# KiCad board Scan_Head_Set-Relay_board_05.01.2023.kicad_pcb (continued)
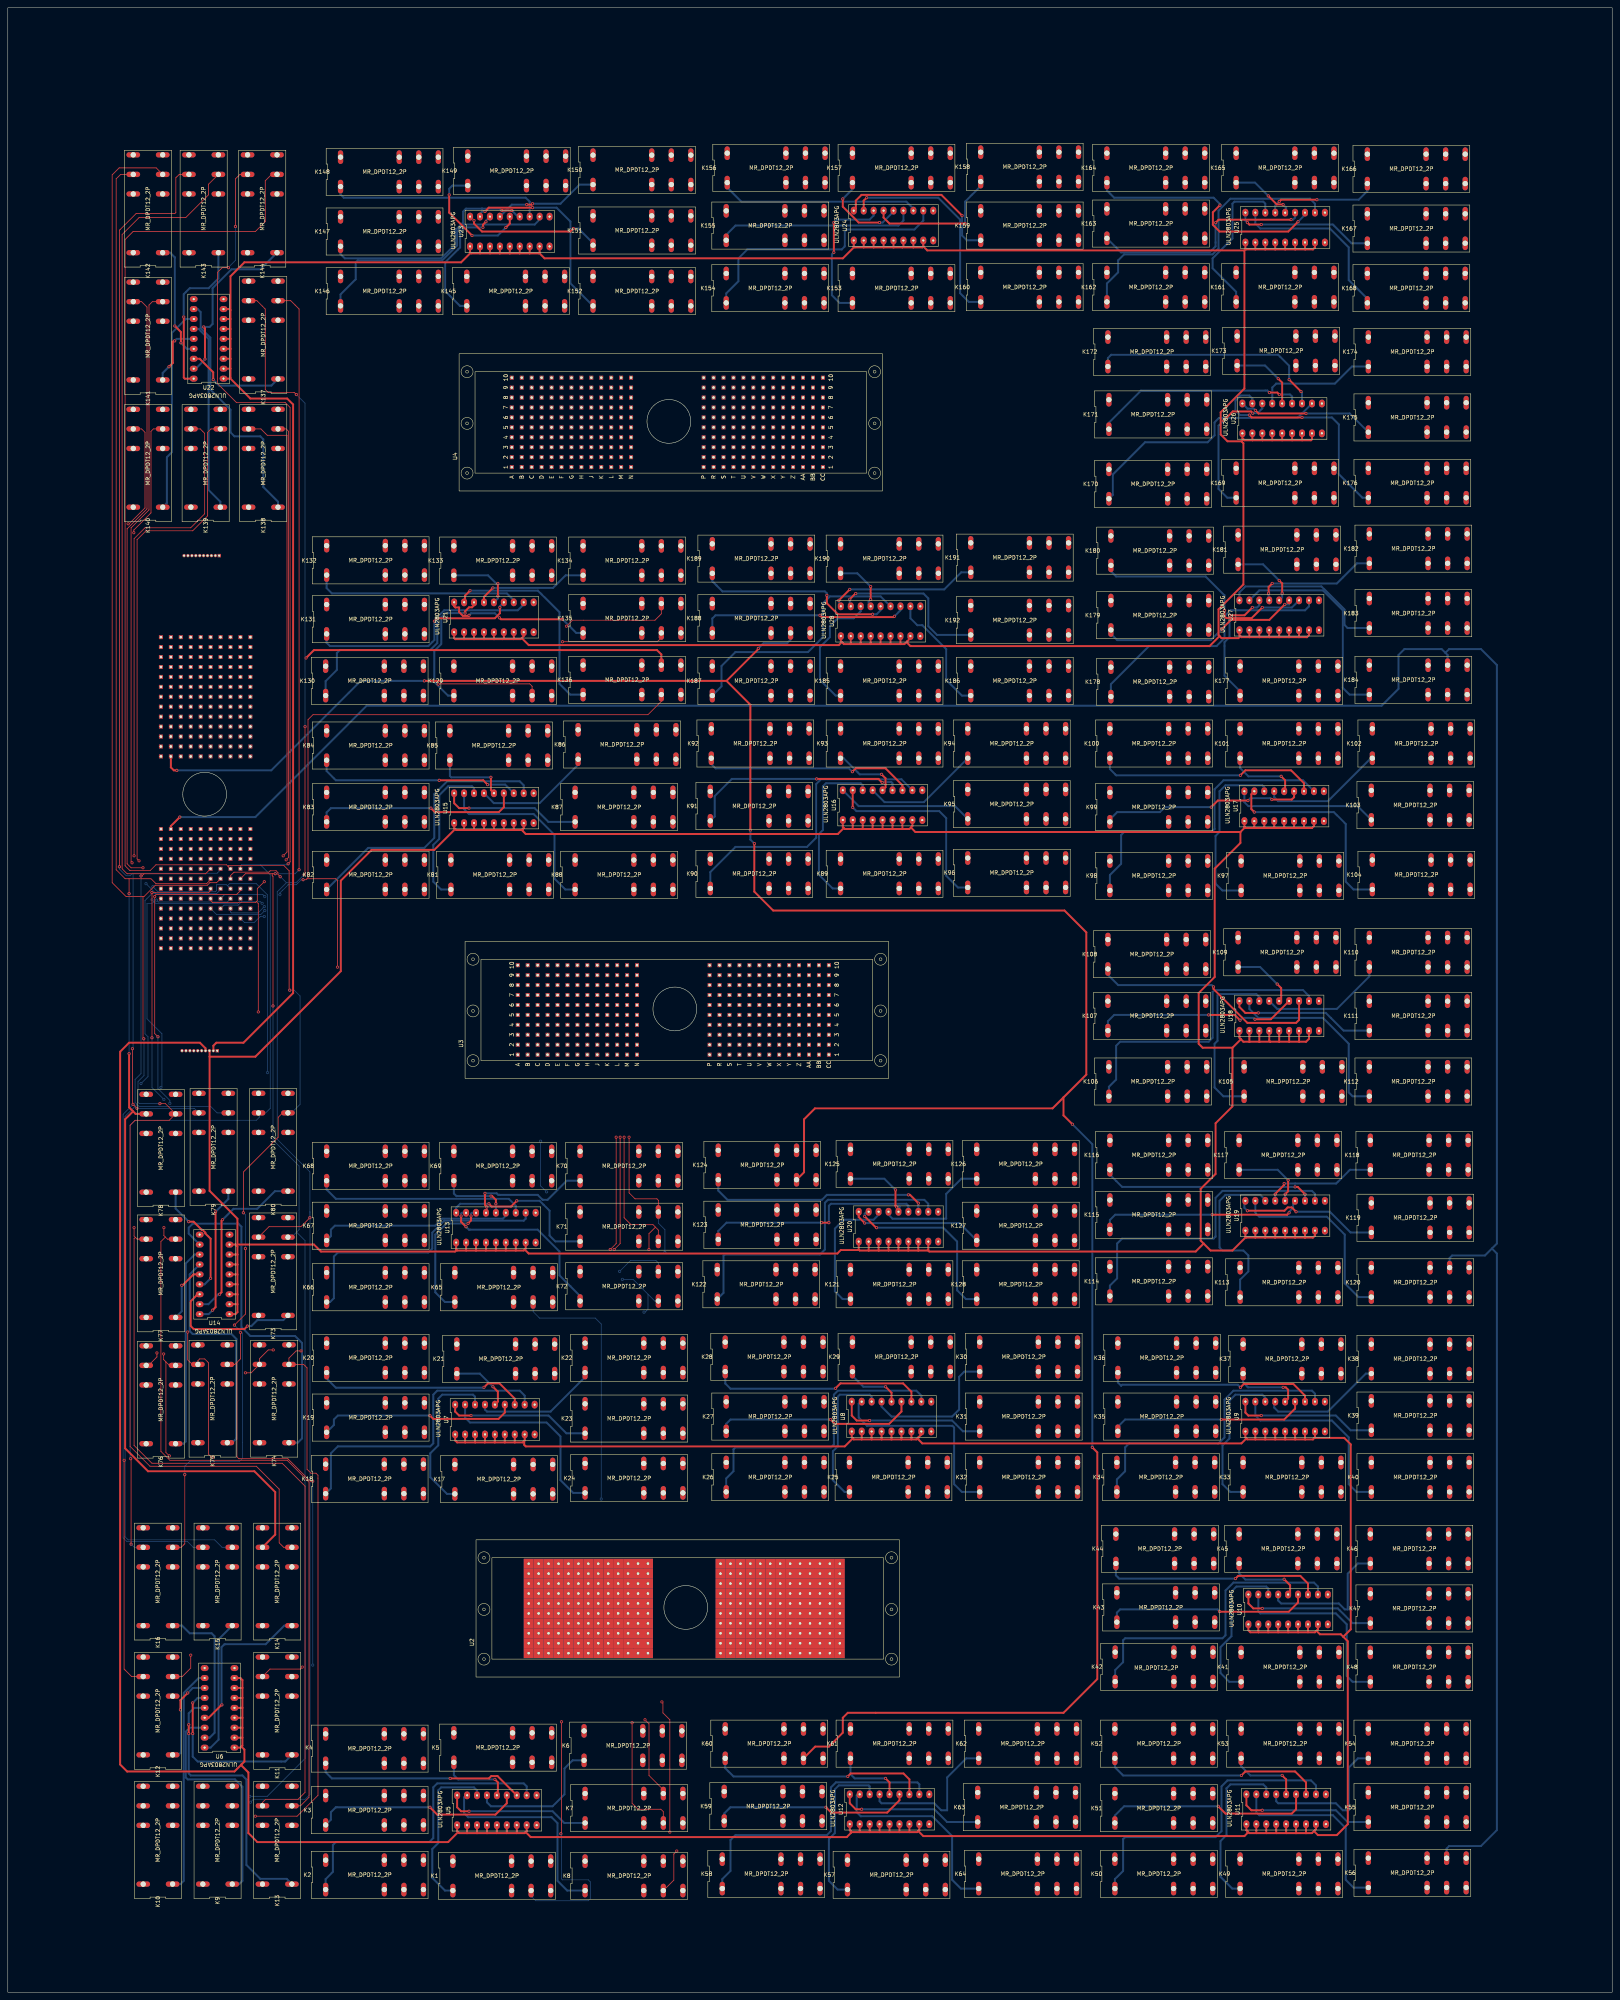
[diagram p0: board, top side]
## Routing (per net, layer and track width the routed paths; a pad name or vN(x,y) marks a point on that pad's centre or on a via; arc(x,y) is an arc through that point) (continued)
Net-(K1-PadA1): length 41.4
  Bottom w0.508: U5.16 119.89,51.56 119.13,52.32 110.74,52.32 109.98,51.56 109.98,38.1 108.46,36.58 108.46,29.21 111.71,25.96 K1.A1
Net-(K2-PadA1): length 78.4
  Bottom w0.508: K2.A1 81.21,28.88 83.06,30.73 83.06,37.59 83.82,38.35 107.7,38.35 108.71,39.37 108.71,52.32 109.73,53.34 131.83,53.34 132.59,52.58 U5.11
Net-(K3-PadA1): length 53.3
  Top w0.508: U5.13 127.51,48.26 124.62,45.37 109.73,45.37 v1(107.86,47.24)
  Bottom w0.508: K3.A1 82.55,44.07 82.55,45.97 83.82,47.24 v1(107.86,47.24)
Net-(K4-PadA1): length 54.1
  Top w0.508: v1(113.03,54.61) 122.94,54.61 123.54,55.21 125.13,55.21 U5.12
  Bottom w0.508: v1(113.03,54.61) 82.8,54.61 81.21,56.21 K4.A1
Net-(K5-PadA1): length 18.7
  Top w0.508: U5.14 125.22,50.55 125.22,53.59 v1(124.46,54.36)
  Bottom w0.508: K5.A1 113.97,55.45 115.06,54.36 v1(124.46,54.36)
Net-(K6-PadA1): length 35.7
  Bottom w0.508: U5.15 122.43,48.51 123.44,47.5 139.19,47.5 142.24,50.55 142.24,57.15 144.32,59.23 K6.A1
Net-(K7-PadA1): length 37.4
  Top w0.508: U5.18 114.81,47.24 115.82,46.23 v1(117.86,46.23)
  Bottom w0.508: v1(117.86,46.23) 139.19,46.23 142.19,43.23 K7.A1
Net-(K8-PadA1): length 52.8
  Bottom w0.508: K8.A1 142.95,25.96 140.46,28.45 140.46,43.18 138.94,44.7 117.6,44.7 116.59,45.72 116.59,49.78 117.09,50.29 U5.17
Net-(K9-PadA1): length 59.4
  Bottom w0.508: U6.16 46.48,67.56 45.47,66.55 45.47,54.86 45.97,54.36 58.06,54.36 59.94,52.48 59.94,28.45 59.11,27.61 K9.A1
Net-(K10-PadA1): length 58.1
  Bottom w0.508: U6.11 48.77,80.26 44.96,76.45 44.96,28.45 44.12,27.61 K10.A1
Net-(K11-PadA1): length 43.9
  Top w0.508: v1(47.24,66.04) v1(47.24,73.91)
  Bottom w0.508: v1(47.24,73.91) 48.51,75.18 U6.13 ; K11.A1 70.89,58.93 48.51,58.93 47.24,60.2 v1(47.24,66.04)
Net-(K12-PadA1): length 23.3
  Top w0.508: v1(45.97,76.45) 44.1,74.58 v1(44.1,72.14)
  Bottom w0.508: K12.A1 43.61,60.63 44.25,61.27 44.25,71.99 v1(44.1,72.14) ; U6.12 47.24,77.72 v1(45.97,76.45)
Net-(K13-PadA1): length 70.9
  Top w0.508: v1(46.23,68.33) v1(46.23,66.04)
  Bottom w0.508: v1(46.23,66.04) 46.23,55.88 46.74,55.37 59.94,55.37 60.96,54.36 60.96,32.51 64.52,28.96 71.25,28.96 K13.A1 ; v1(46.23,68.33) 46.23,71.25 47.62,72.64 U6.14
Net-(K14-PadA1): length 40.8
  Top w0.508: U6.15 51.31,70.1 54.61,73.41 v1(54.7,73.41)
  Bottom w0.508: v1(54.7,73.41) 54.61,73.5 54.61,88.14 55.37,88.9 65.89,88.9 70.64,93.65 K14.A1
Net-(K15-PadA1): length 35
  Bottom w0.508: U6.18 51.82,62.48 53.85,64.52 53.85,90.15 K15.A1
Net-(K16-PadA1): length 39.5
  Bottom w0.508: U6.17 51.56,65.02 52.83,66.29 52.83,90.93 52.07,91.69 46.48,91.69 44.52,93.65 K16.A1
Net-(K17-PadA1): length 41
  Bottom w0.508: U7.16 119.38,152.15 118.87,152.65 111,152.65 109.98,151.64 109.98,139.7 107.95,137.67 107.95,131.57 112.22,127.3 K17.A1
Net-(K18-PadA1): length 77.1
  Bottom w0.508: K18.A1 82.55,128.72 82.55,137.67 84.33,139.45 107.95,139.45 108.71,140.21 108.71,152.65 109.73,153.67 130.81,153.67 132.08,152.4 U7.11
Net-(K19-PadA1): length 51.2
  Top w0.508: v1(107.86,147.32) 108.71,146.47 125.38,146.47 127,148.08 U7.13
  Bottom w0.508: v1(107.86,147.32) 84.33,147.32 83.31,146.3 83.31,144.9 K19.A1
Net-(K20-PadA1): length 54.2
  Top w0.508: v1(121.67,154.52) 122.68,155.54 125.64,155.54 129.54,151.64 U7.12
  Bottom w0.508: v1(121.67,154.52) 121.57,154.43 83.82,154.43 81.46,156.79 K20.A1
Net-(K21-PadA1): length 16
  Top w0.508: U7.14 125.22,150.88 125.22,153.42 v1(123.95,154.69)
  Bottom w0.508: K21.A1 120.6,158.04 v1(123.95,154.69)
Net-(K22-PadA1): length 31.9
  Bottom w0.508: K22.A1 147.5,157.15 138.68,148.34 122.43,148.34 121.92,148.84 U7.15
Net-(K23-PadA1): length 37.3
  Top w0.508: U7.18 114.3,148.34 115.32,147.32 v1(118.36,147.32)
  Bottom w0.508: K23.A1 142.7,142.8 138.18,147.32 v1(118.36,147.32)
Net-(K24-PadA1): length 48.5
  Bottom w0.508: U7.17 116.84,146.81 118.11,145.54 137.67,145.54 141.22,141.99 141.22,130.81 144.48,127.56 K24.A1
Net-(K25-PadA1): length 37.7
  Bottom w0.508: K25.A1 213.82,127.81 210.82,130.81 210.82,138.18 212.09,139.45 212.09,152.15 212.6,152.65 220.22,152.65 220.73,152.15 U8.16
Net-(K26-PadA1): length 75.3
  Bottom w0.508: U8.11 233.43,152.4 232.16,153.67 212.09,153.67 211.07,152.65 211.07,139.95 210.31,139.19 185.93,139.19 185.42,138.68 185.42,133.1 183.57,131.24 K26.A1
Net-(K27-PadA1): length 51.4
  Top w0.508: v1(210.22,146.3) 211.33,145.2 225.21,145.2 228.35,148.34 U8.13
  Bottom w0.508: K27.A1 183.57,145.21 184.66,146.3 v1(210.22,146.3)
Net-(K28-PadA1): length 55.1
  Top w0.508: v1(211.5,154.28) 212.75,155.54 228.76,155.54 230.89,153.42 U8.12
  Bottom w0.508: K28.A1 183.31,155.52 184.66,154.18 211.39,154.18 v1(211.5,154.28)
Net-(K29-PadA1): length 15.1
  Top w0.508: U8.14 225.81,153.16 v1(224.28,154.69)
  Bottom w0.508: K29.A1 215.83,157.47 218.61,154.69 v1(224.28,154.69)
Net-(K30-PadA1): length 37.1
  Bottom w0.508: U8.15 223.27,149.61 225.81,147.07 241.3,147.07 243.08,148.84 243.08,157.23 244.4,158.55 K30.A1
Net-(K31-PadA1): length 37.9
  Top w0.508: v1(220.22,146.05) 216.92,146.05 215.65,147.32 U8.18
  Bottom w0.508: K31.A1 244.04,143.31 241.3,146.05 v1(220.22,146.05)
Net-(K32-PadA1): length 51.8
  Bottom w0.508: K32.A1 243.79,127.81 241.81,129.79 241.81,144.27 241.37,144.71 219.53,144.71 217.42,146.81 217.42,150.37 217.93,150.88 U8.17
Net-(K33-PadA1): length 39.3
  Bottom w0.508: U9.16 321.31,151.89 320.55,152.65 313.69,152.65 312.17,151.13 312.17,141.48 310.39,139.7 310.39,129.79 312.37,127.81 K33.A1
Net-(K34-PadA1): length 74.8
  Bottom w0.508: U9.11 334.01,152.91 333.25,153.67 313.18,153.67 310.9,151.38 310.9,141.73 309.37,140.21 286.51,140.21 285.5,139.19 285.5,133.1 283.39,130.99 K34.A1
Net-(K35-PadA1): length 50.1
  Top w0.508: v1(310.04,146.3) 326.14,146.3 328.93,149.1 U9.13
  Bottom w0.508: K35.A1 283.64,144.45 285.5,146.3 v1(310.04,146.3)
Net-(K36-PadA1): length 54.2
  Top w0.508: v1(314.96,154.52) 315.81,155.38 328.49,155.38 331.47,152.4 U9.12
  Bottom w0.508: v1(314.96,154.52) 314.29,155.19 284.73,155.19 284.48,154.94 283.64,155.78 K36.A1
Net-(K37-PadA1): length 17.9
  Top w0.508: U9.14 327.15,151.64 327.15,153.92 326.55,154.52 v1(325.88,154.52)
  Bottom w0.508: v1(325.88,154.52) 316.9,154.52 315.65,155.78 K37.A1
Net-(K38-PadA1): length 30.9
  Bottom w0.508: K38.A1 347.01,158.04 337.31,148.34 324.61,148.34 323.6,149.35 323.6,150.62 U9.15
Net-(K39-PadA1): length 36.9
  Top w0.508: U9.18 316.23,148.08 316.99,147.32 v1(320.29,147.32)
  Bottom w0.508: v1(320.29,147.32) 339.34,147.32 343.1,143.56 K39.A1
Net-(K40-PadA1): length 48.3
  Bottom w0.508: U9.17 318.77,147.32 320.04,146.05 338.33,146.05 342.65,141.73 342.65,129.79 344.63,127.81 K40.A1
Net-(K41-PadA1): length 39.8
  Bottom w0.508: K41.A1 312.12,79.3 309.88,81.53 309.88,88.14 312.67,90.93 312.67,102.36 313.94,103.63 321.56,103.63 322.07,103.12 U10.16
Net-(K42-PadA1): length 76.4
  Bottom w0.508: K42.A1 282.96,82.3 284.99,84.33 284.99,89.92 285.5,90.42 310.39,90.42 311.15,91.19 311.15,102.62 313.18,104.65 333.76,104.65 334.77,103.63 U10.11
Net-(K43-PadA1): length 52.3
  Top w0.508: v1(309.63,97.28) 309.72,97.19 327.31,97.19 329.69,99.57 U10.13
  Bottom w0.508: K43.A1 283.39,96.95 284.23,97.79 309.12,97.79 v1(309.63,97.28)
Net-(K44-PadA1): length 56.4
  Top w0.508: v1(313.69,105.66) 314.38,106.36 330.27,106.36 332.23,104.39 U10.12
  Bottom w0.508: K44.A1 283.14,106.5 283.97,105.66 v1(313.69,105.66)
Net-(K45-PadA1): length 19.5
  Top w0.508: U10.14 327.66,102.11 327.66,103.98 v1(326.14,105.5)
  Bottom w0.508: K45.A1 314.63,107.01 316.23,105.41 326.04,105.41 v1(326.14,105.5)
Net-(K46-PadA1): length 36.2
  Bottom w0.508: U10.15 324.61,100.08 325.37,99.31 340.11,99.31 341.63,97.79 342.39,97.79 342.39,106.93 344.98,109.52 K46.A1
Net-(K47-PadA1): length 35.5
  Top w0.508: U10.18 316.99,99.31 318.26,98.04 v1(320.55,98.04)
  Bottom w0.508: v1(320.55,98.04) 339.85,98.04 343.61,94.28 K47.A1
Net-(K48-PadA1): length 48.1
  Bottom w0.508: U10.17 319.53,97.28 320.04,96.77 339.34,96.77 342.14,93.98 342.14,80.77 343.61,79.3 K48.A1
Net-(K49-PadA1): length 42.2
  Bottom w0.508: U11.16 321.56,52.32 320.8,53.09 312.42,53.09 311.4,52.07 311.4,40.13 309.88,38.61 309.88,29.46 312.88,26.47 K49.A1
Net-(K50-PadA1): length 78.5
  Bottom w0.508: K50.A1 282.88,28.88 284.99,30.99 284.99,39.12 285.5,39.62 308.61,39.62 310.13,41.15 310.13,52.58 311.66,54.1 332.99,54.1 334.26,52.83 U11.11
Net-(K51-PadA1): length 54.2
  Top w0.508: U11.13 329.18,46.74 328.08,45.63 311.15,45.63 v1(309.28,47.5)
  Bottom w0.508: v1(309.28,47.5) 285.24,47.5 282.88,45.14 K51.A1
Net-(K52-PadA1): length 56.6
  Top w0.508: U11.12 331.72,53.59 328.93,56.39 316.23,56.39 v1(315.21,55.37)
  Bottom w0.508: K52.A1 282.88,57.48 284.99,55.37 v1(315.21,55.37)
Net-(K53-PadA1): length 18.7
  Top w0.508: U11.14 326.64,54.36 v1(325.63,55.37)
  Bottom w0.508: v1(325.63,55.37) 317.5,55.37 315.14,57.73 K53.A1
Net-(K54-PadA1): length 38.2
  Bottom w0.508: K54.A1 344.98,59.74 342.65,57.4 342.65,46.48 341.12,46.48 339.34,48.26 324.61,48.26 324.1,48.77 U11.15
Net-(K55-PadA1): length 35.7
  Top w0.508: v1(320.55,46.48) 317.75,46.48 316.48,47.75 U11.18
  Bottom w0.508: K55.A1 342.34,43.48 339.34,46.48 v1(320.55,46.48)
Net-(K56-PadA1): length 48.9
  Bottom w0.508: U11.17 319.02,45.97 319.79,45.21 338.58,45.21 341.88,41.91 341.88,28.7 343.87,26.72 K56.A1
Net-(K57-PadA1): length 41.1
  Bottom w0.508: U12.16 220.22,52.58 219.96,52.83 212.34,52.83 211.33,51.82 211.33,40.64 209.8,39.12 209.8,28.45 212.04,26.21 K57.A1
Net-(K58-PadA1): length 76.9
  Bottom w0.508: U12.11 232.92,53.09 232.41,53.59 211.58,53.59 210.31,52.32 210.31,41.15 209.3,40.13 185.93,40.13 184.66,38.86 184.66,30.99 182.55,28.88 K58.A1
Net-(K59-PadA1): length 50.7
  Top w0.508: U12.13 227.84,49.02 224.7,45.88 210.4,45.88 v1(209.04,47.24)
  Bottom w0.508: v1(209.04,47.24) 184.66,47.24 183.06,45.65 K59.A1
Net-(K60-PadA1): length 55.2
  Top w0.508: U12.12 230.38,54.36 228.85,55.88 215.39,55.88 v1(214.63,55.12)
  Bottom w0.508: K60.A1 183.31,57.22 185.42,55.12 v1(214.63,55.12)
Net-(K61-PadA1): length 17.9
  Top w0.508: U12.14 225.3,53.59 v1(224.28,54.61)
  Bottom w0.508: v1(224.28,54.61) 216.41,54.61 215.32,55.7 K61.A1
Net-(K62-PadA1): length 38.5
  Bottom w0.508: U12.15 222.76,48.77 223.27,48.26 236.73,48.26 238.51,46.48 240.03,46.48 240.03,54.86 244.91,59.74 K62.A1
Net-(K63-PadA1): length 37
  Top w0.508: U12.18 215.14,48.26 216.66,46.74 v1(218.19,46.74)
  Bottom w0.508: v1(218.19,46.74) 236.73,46.74 239.98,43.48 K63.A1
Net-(K64-PadA1): length 51
  Bottom w0.508: K64.A1 243.54,26.47 241.3,28.7 241.3,39.88 236.22,44.96 217.93,44.96 216.92,45.97 216.92,50.29 217.17,50.55 U12.17
Net-(K65-PadA1): length 34.5
  Top w0.508: v1(118.36,198.31) 118.36,197.17 v1(117.6,196.4)
  Bottom w0.508: U13.16 118.62,199.14 118.36,198.88 v1(118.36,198.31) ; v1(117.6,196.4) 112.08,196.4 109.22,193.55 109.22,178.82 111.71,176.33 K65.A1
Net-(K66-PadA1): length 69.8
  Bottom w0.508: U13.11 132.33,197.61 131.83,197.1 111.51,197.1 108.46,194.06 108.46,189.99 107.44,188.98 84.33,188.98 83.31,187.96 83.31,177.29 82.35,176.33 K66.A1
Net-(K67-PadA1): length 50.1
  Bottom w0.508: U13.13 127.25,198.37 126.49,197.61 111,197.61 109.22,195.83 83.57,195.83 82.55,194.82 82.55,193.16 K67.A1
Net-(K68-PadA1): length 54.1
  Bottom w0.508: K68.A1 81.46,205.05 83.82,202.69 128.02,202.69 129.79,200.91 U13.12
Net-(K69-PadA1): length 18
  Top w0.508: v1(124.71,201.42) 124.71,202.44 123.76,203.39 v1(123.44,203.39)
  Bottom w0.508: v1(124.71,201.42) U13.14 ; K69.A1 113.97,204.04 114.62,203.39 v1(123.44,203.39)
Net-(K70-PadA1): length 32.4
  Top w0.508: v1(122.38,200.59) 122.38,200.71 121.92,201.17 v1(121.92,204.09)
  Bottom w0.508: 125.73,203.71 125.54,203.71 ; 125.73,203.71 125.28,203.71 124.9,204.09 v1(121.92,204.09) ; 125.73,203.71 135.38,203.71 136.65,202.44 137.92,202.44 142.8,207.31 K70.A1 ; v1(122.38,200.59) 122.38,199.34 U13.15
Net-(K71-PadA1): length 42.3
  Top w0.508: v1(130.05,202.18) 128.59,200.72 123.64,200.72 v1(122.94,201.42)
  Bottom w0.508: v1(122.94,201.42) 115.57,201.42 114.55,200.41 U13.18 ; v1(130.05,202.18) 135.89,202.18 138.43,199.64 138.43,193.29 139.9,191.82 K71.A1
Net-(K72-PadA1): length 46.6
  Top w0.508: v1(117.08,195.55) 115.82,196.81 v1(115.82,198.31)
  Bottom w0.508: K72.A1 146.23,177.87 140.97,183.13 140.97,189.23 135.38,194.82 117.81,194.82 v1(117.08,195.55) ; v1(115.82,198.31) 115.82,198.88 116.08,199.14 U13.17
Net-(K73-PadA1): length 36
  Top w0.508: v1(61.21,170.18) 60.45,169.42 47.5,169.42 46.74,170.18 46.74,176.53 48.51,178.31 U14.16
  Bottom w0.508: v1(61.21,170.18) 62.23,170.18 63.75,171.7 70.38,171.7 K73.A1
Net-(K74-PadA1): length 90.7
  Bottom w0.508: K74.A1 74.09,140.39 75.18,141.48 75.18,165.86 73.41,167.64 61.98,167.64 59.69,169.93 59.69,195.58 58.93,196.34 47.24,196.34 46.23,195.33 46.23,193.8 U14.11
Net-(K75-PadA1): length 59
  Bottom w0.508: U14.13 46.48,183.39 46.48,168.91 47.24,168.15 57.15,168.15 58.42,166.88 58.42,141.48 57.33,140.39 K75.A1
Net-(K76-PadA1): length 52.8
  Bottom w0.508: U14.12 47.75,188.47 45.47,186.18 45.47,140.72 44.88,140.13 K76.A1
Net-(K77-PadA1): length 14.6
  Top w0.508: U14.14 47.44,183.39 44.64,180.59 v1(44.45,180.59)
  Bottom w0.508: v1(44.45,180.59) 44.45,173.97 K77.A1
Net-(K78-PadA1): length 30
  Top w0.508: v1(51.82,182.37) 51.82,192.5 50.48,193.84 50.48,194.05 49.76,194.77 49.54,194.77 47.46,196.85 v1(46.23,196.85)
  Bottom w0.508: v1(51.82,182.37) 50.29,180.85 U14.15 ; K78.A1 42.88,200.2 v1(46.23,196.85)
Net-(K79-PadA1): length 35.8
  Top w0.508: v1(52.32,174.24) 53.09,175.01 v1(53.09,199.39)
  Bottom w0.508: K79.A1 56.34,202.64 v1(53.09,199.39) ; U14.18 51.31,173.23 v1(52.32,174.24)
Net-(K80-PadA1): length 45.2
  Top w0.508: v1(54.1,178.31) 54.61,178.82 54.61,197.1 v1(54.86,197.36)
  Bottom w0.508: v1(54.86,197.36) 57.66,200.15 63.75,200.15 68.25,204.65 K80.A1 ; v1(54.1,178.31) 53.79,178.31 51.25,175.77 U14.17
Net-(K81-PadA1): length 39.4
  Bottom w0.508: K81.A1 110.69,281.74 108.71,283.72 108.71,293.12 110.24,294.64 110.24,305.82 112.52,308.1 118.62,308.1 119.13,307.59 U15.16
Net-(K82-PadA1): length 70.8
  Bottom w0.508: K82.A1 92.08,292.35 106.43,292.35 108.97,294.89 108.97,306.07 112.27,309.37 130.81,309.37 131.83,308.36 U15.11
Net-(K83-PadA1): length 52.7
  Top w0.508: v1(108.11,302.51) 109.13,301.5 125.48,301.5 126.75,302.77 U15.13
  Bottom w0.508: v1(108.11,302.51) 82.55,302.51 81.46,301.42 K83.A1
Net-(K84-PadA1): length 52.9
  Top w0.508: v1(122.59,308.52) 121.48,309.63 v1(110.24,309.63)
  Bottom w0.508: v1(122.59,308.52) 127.09,308.52 U15.12 ; K84.A1 81.46,311.99 83.82,309.63 v1(110.24,309.63)
Net-(K85-PadA1): length 19
  Top w0.508: v1(123.44,310.39) 123.44,307.09 U15.14
  Bottom w0.508: v1(123.44,310.39) 113.28,310.39 112.96,310.72 K85.A1
Net-(K86-PadA1): length 30.6
  Bottom w0.508: U15.15 124.21,303.78 135.89,303.78 145.72,313.62 K86.A1
Net-(K87-PadA1): length 35.4
  Top w0.508: U15.18 114.05,303.78 115.32,302.51 v1(117.86,302.51)
  Bottom w0.508: K87.A1 138.13,299.01 134.62,302.51 v1(117.86,302.51)
Net-(K88-PadA1): length 47.5
  Bottom w0.508: K88.A1 142.44,281.74 139.7,284.48 139.7,295.66 134.37,300.99 117.86,300.99 116.59,302.26 U15.17
Net-(K89-PadA1): length 41.9
  Bottom w0.508: U16.16 218.44,308.36 217.93,308.86 209.04,308.86 208.28,308.1 208.28,296.93 207.26,295.91 207.26,285.5 210.77,281.99 K89.A1
Net-(K90-PadA1): length 74.8
  Bottom w0.508: K90.A1 179.5,286.18 185.93,292.61 204.22,292.61 206.56,294.95 206.56,308.66 207.77,309.88 228.35,309.88 U16.11
Net-(K91-PadA1): length 56.4
  Top w0.508: v1(206.66,309.98) 222.48,309.98 v1(223.43,309.03)
  Bottom w0.508: K91.A1 180.63,300.39 180.63,305.6 185.01,309.98 v1(206.66,309.98) ; v1(223.43,309.03) 223.57,309.17 225.75,309.17 226.06,308.86 U16.13
Net-(K92-PadA1): length 54.6
  Top w0.508: v1(215.8,311.82) 216.66,312.67 224.28,312.67 228.6,308.36 U16.12
  Bottom w0.508: v1(215.8,311.82) 214.95,312.67 180.85,312.67 179.76,313.76 K92.A1
Net-(K93-PadA1): length 17
  Top w0.508: U16.14 224.28,307.85 224.28,310.13 v1(223.27,311.15)
  Bottom w0.508: K93.A1 213.56,315.26 217.68,311.15 v1(223.27,311.15)
Net-(K94-PadA1): length 30.2
  Bottom w0.508: U16.15 224.03,304.04 234.06,304.04 K94.A1
Net-(K95-PadA1): length 35
  Bottom w0.508: U16.18 217.42,303.02 242.04,303.02 K95.A1
Net-(K96-PadA1): length 50.9
  Top w0.508: v1(215.9,302.68) U16.17
  Bottom w0.508: K96.A1 242.77,282.24 239.78,285.24 239.78,299.97 238,301.75 216.82,301.75 v1(215.9,302.68)
Net-(K97-PadA1): length 44.6
  Bottom w0.508: U17.16 321.06,307.85 320.55,308.36 311.15,308.36 309.63,306.83 309.63,296.42 308.61,295.4 308.61,283.21 310.34,281.48 K97.A1
Net-(K98-PadA1): length 77.5
  Bottom w0.508: K98.A1 281.61,285.42 284.48,288.29 284.48,295.66 285.24,296.42 307.59,296.42 308.36,297.18 308.36,307.34 310.64,309.63 330.96,309.63 U17.11
Net-(K99-PadA1): length 51.9
  Top w0.508: v1(307.5,302.77) 309.18,304.45 v1(316.9,304.45) ; v1(322.99,304.7) 328.07,304.7 328.68,305.31 U17.13
  Bottom w0.508: v1(316.9,304.45) 317.51,305.05 322.64,305.05 v1(322.99,304.7) ; v1(307.5,302.77) 295.66,302.77 294.39,301.5 283.46,301.5 281.61,299.65 K99.A1
Net-(K100-PadA1): length 57
  Top w0.508: v1(314.96,310.9) 316.23,312.17 327.91,312.17 331.22,308.86 U17.12
  Bottom w0.508: v1(314.96,310.9) 283.21,310.9 281.61,312.49 K100.A1
Net-(K101-PadA1): length 18.2
  Top w0.508: v1(325.37,310.64) 326.39,309.63 326.39,307.09 U17.14
  Bottom w0.508: K101.A1 314.89,312.75 316.99,310.64 v1(325.37,310.64)
Net-(K102-PadA1): length 31.6
  Bottom w0.508: U17.15 323.6,305.31 324.61,304.29 337.31,304.29 348.28,315.26 K102.A1
Net-(K103-PadA1): length 37.1
  Bottom w0.508: U17.18 315.98,304.04 316.99,303.02 344.91,303.02 K103.A1
Net-(K104-PadA1): length 52.9
  Top w0.508: v1(318.52,301.5) 317.75,302.26 317.75,306.07 U17.17
  Bottom w0.508: v1(318.52,301.5) 338.84,301.5 341.88,298.45 341.88,283.72 343.87,281.74 K104.A1
Net-(K105-PadA1): length 44.5
  Bottom w0.508: U18.16 319.79,254.25 319.02,255.02 309.37,255.02 309.12,254.76 309.12,243.08 308.36,242.32 308.36,231.14 310.59,228.9 K105.A1
Net-(K106-PadA1): length 77.6
  Bottom w0.508: U18.11 332.49,254.51 330.96,256.03 308.36,256.03 307.85,255.52 307.85,243.84 306.83,242.82 284.23,242.82 283.21,241.81 283.21,233.17 281.36,231.32 K106.A1
Net-(K107-PadA1): length 52.3
  Top w0.508: v1(314.86,248.32) 313.5,249.68 v1(306.83,249.68) ; v1(318.67,248.57) 322.74,248.57 U18.13
  Bottom w0.508: v1(318.67,248.57) 318.32,248.92 315.47,248.92 v1(314.86,248.32) ; K107.A1 281.1,248.08 282.7,249.68 v1(306.83,249.68)
Net-(K108-PadA1): length 60.9
  Top w0.508: v1(308.09,256.84) 308.09,256.3 316.74,247.65 329.18,247.65 329.95,248.41 U18.12
  Bottom w0.508: K108.A1 281.1,259.92 283.72,257.3 307.63,257.3 v1(308.09,256.84)
Net-(K109-PadA1): length 16.7
  Top w0.508: v1(324.36,257.56) 325.37,256.54 325.37,253.75 U18.14
  Bottom w0.508: v1(324.36,257.56) 319.99,261.92 K109.A1
Net-(K110-PadA1): length 32.3
  Bottom w0.508: U18.15 324.36,251.21 339.6,251.21 347.91,259.51 K110.A1
Net-(K111-PadA1): length 37.2
  Top w0.508: U18.18 314.71,251.71 316.23,250.19 v1(319.53,250.19)
  Bottom w0.508: v1(319.53,250.19) 336.8,250.19 341.33,245.67 K111.A1
Net-(K112-PadA1): length 49.2
  Bottom w0.508: U18.17 317.25,251.21 319.53,248.92 336.04,248.92 342.65,242.32 342.65,229.87 343.61,228.9 K112.A1
Net-(K113-PadA1): length 44.7
  Bottom w0.508: U19.16 321.31,202.44 320.04,203.71 311.15,203.71 309.63,202.18 309.63,190.25 310.39,189.48 315.72,189.48 316.99,188.21 316.99,184.15 314.89,182.04 K113.A1
Net-(K114-PadA1): length 78.2
  Bottom w0.508: U19.11 334.01,203.96 333.25,204.72 310.39,204.72 308.61,202.95 308.61,193.04 308.1,192.53 284.73,192.53 283.46,191.26 283.46,182.37 281.61,180.52 K114.A1
Net-(K115-PadA1): length 52.7
  Top w0.508: v1(307.76,198.63) 326.9,198.63 v1(327.41,199.14)
  Bottom w0.508: v1(327.41,199.14) 327.41,199.39 328.42,200.41 328.42,201.68 U19.13 ; v1(307.76,198.63) 282.96,198.63 281.61,197.28 K115.A1
Net-(K116-PadA1): length 54.9
  Top w0.508: v1(328.93,205.74) 329.6,205.74 v1(331.47,203.87)
  Bottom w0.508: K116.A1 281.61,208.86 284.73,205.74 v1(328.93,205.74) ; v1(331.47,203.87) U19.12
Net-(K117-PadA1): length 19.2
  Top w0.508: v1(326.39,203.87) 327.15,204.63 v1(327.15,207.45)
  Bottom w0.508: v1(326.39,203.87) U19.14 ; v1(327.15,207.45) 324.49,210.11 K117.A1
Net-(K118-PadA1): length 28.8
  Top w0.508: v1(326.14,206.59) 326.14,206.25 323.85,203.97 v1(323.85,203.87)
  Bottom w0.508: v1(326.14,206.59) 328.93,206.59 339.44,206.59 342.95,210.11 K118.A1 ; v1(323.85,203.87) U19.15
Net-(K119-PadA1): length 37.6
  Top w0.508: v1(329.18,199.39) 328.08,200.5 327.05,200.5 326.2,199.64 v1(316.74,199.64)
  Bottom w0.508: K119.A1 343.1,194.11 337.82,199.39 v1(329.18,199.39) ; v1(316.74,199.64) 315.98,200.41 315.98,201.93 U19.18
Net-(K120-PadA1): length 48.9
  Bottom w0.508: K120.A1 345.14,177.6 341.63,181.1 341.63,193.55 337.06,198.12 319.79,198.12 318.77,199.14 U19.17
Net-(K121-PadA1): length 34.2
  Bottom w0.508: K121.A1 213.31,177.09 211.33,179.07 211.33,195.07 213.61,197.36 221.23,197.36 222.5,198.63 U20.16
Net-(K122-PadA1): length 79.4
  Bottom w0.508: U20.11 235.2,201.42 234.19,202.44 209.55,202.44 208.79,201.68 208.79,189.74 207.52,188.47 183.13,188.47 182.88,188.21 182.88,178.69 K122.A1
Net-(K123-PadA1): length 57.9
  Top w0.508: v1(207.93,196.6) v1(209.8,196.6)
  Bottom w0.508: v1(209.8,196.6) 209.8,200.91 210.31,201.42 229.62,201.42 230.12,200.91 U20.13 ; v1(207.93,196.6) 183.64,196.6 181.54,194.49 K123.A1
Net-(K124-PadA1): length 58.5
  Top w0.508: v1(230.12,203.71) 230.54,203.71 v1(232.66,201.58)
  Bottom w0.508: v1(232.66,201.58) U20.12 ; v1(230.12,203.71) 209.3,203.71 208.03,202.44 183.9,202.44 181.54,204.8 K124.A1
Net-(K125-PadA1): length 19.4
  Top w0.508: v1(227.11,200.57) 226.82,200.86 v1(226.82,204.98)
  Bottom w0.508: U20.14 227.84,199.64 227.84,200.66 227.2,200.66 v1(227.11,200.57) ; K125.A1 223.98,207.82 v1(226.82,204.98)
Net-(K126-PadA1): length 31.7
  Bottom w0.508: K126.A1 243.64,207.82 239.78,203.96 239.78,197.61 226.06,197.61 225.04,198.63 U20.15
Net-(K127-PadA1): length 34
  Top w0.508: v1(218.95,196.5) 217.42,198.03 U20.18
  Bottom w0.508: v1(218.95,196.5) 243.15,196.5 K127.A1
Net-(K128-PadA1): length 46.6
  Top w0.508: v1(218.95,198.21) 221.83,195.33 v1(222,195.33)
  Bottom w0.508: v1(218.95,198.21) 218.95,198.88 219.46,199.39 U20.17 ; K128.A1 244.81,177.09 242.57,179.32 242.57,191.77 239.01,195.33 v1(222,195.33)
Net-(K129-PadA1): length 33.6
  Top w0.508: 119.13,354.33 118.62,353.82 117.86,353.82 116.84,352.81 v1(116.84,352.34)
  Bottom w0.508: K129.A1 112.47,331.27 108.97,334.77 108.97,342.65 110.74,344.42 110.74,351.28 111.8,352.34 v1(116.84,352.34)
Net-(K130-PadA1): length 69.3
  Bottom w0.508: K130.A1 81.21,334.95 84.07,337.82 84.07,342.14 84.84,342.9 107.95,342.9 109.73,344.68 109.73,351.28 111.51,353.06 130.3,353.06 131.83,354.58 U21.11
Net-(K131-PadA1): length 56.4
  Top w0.508: v1(125.73,353.78) 125.73,352.3 124.46,351.03 109.77,351.03 v1(109,350.27)
  Bottom w0.508: v1(109,350.27) 109,345.48 107.44,343.92 82.3,343.92 81.46,344.75 K131.A1 ; v1(125.73,353.78) 125.73,354.08 U21.13
